# KiCad board helios-panel.kicad_pcb (continued)
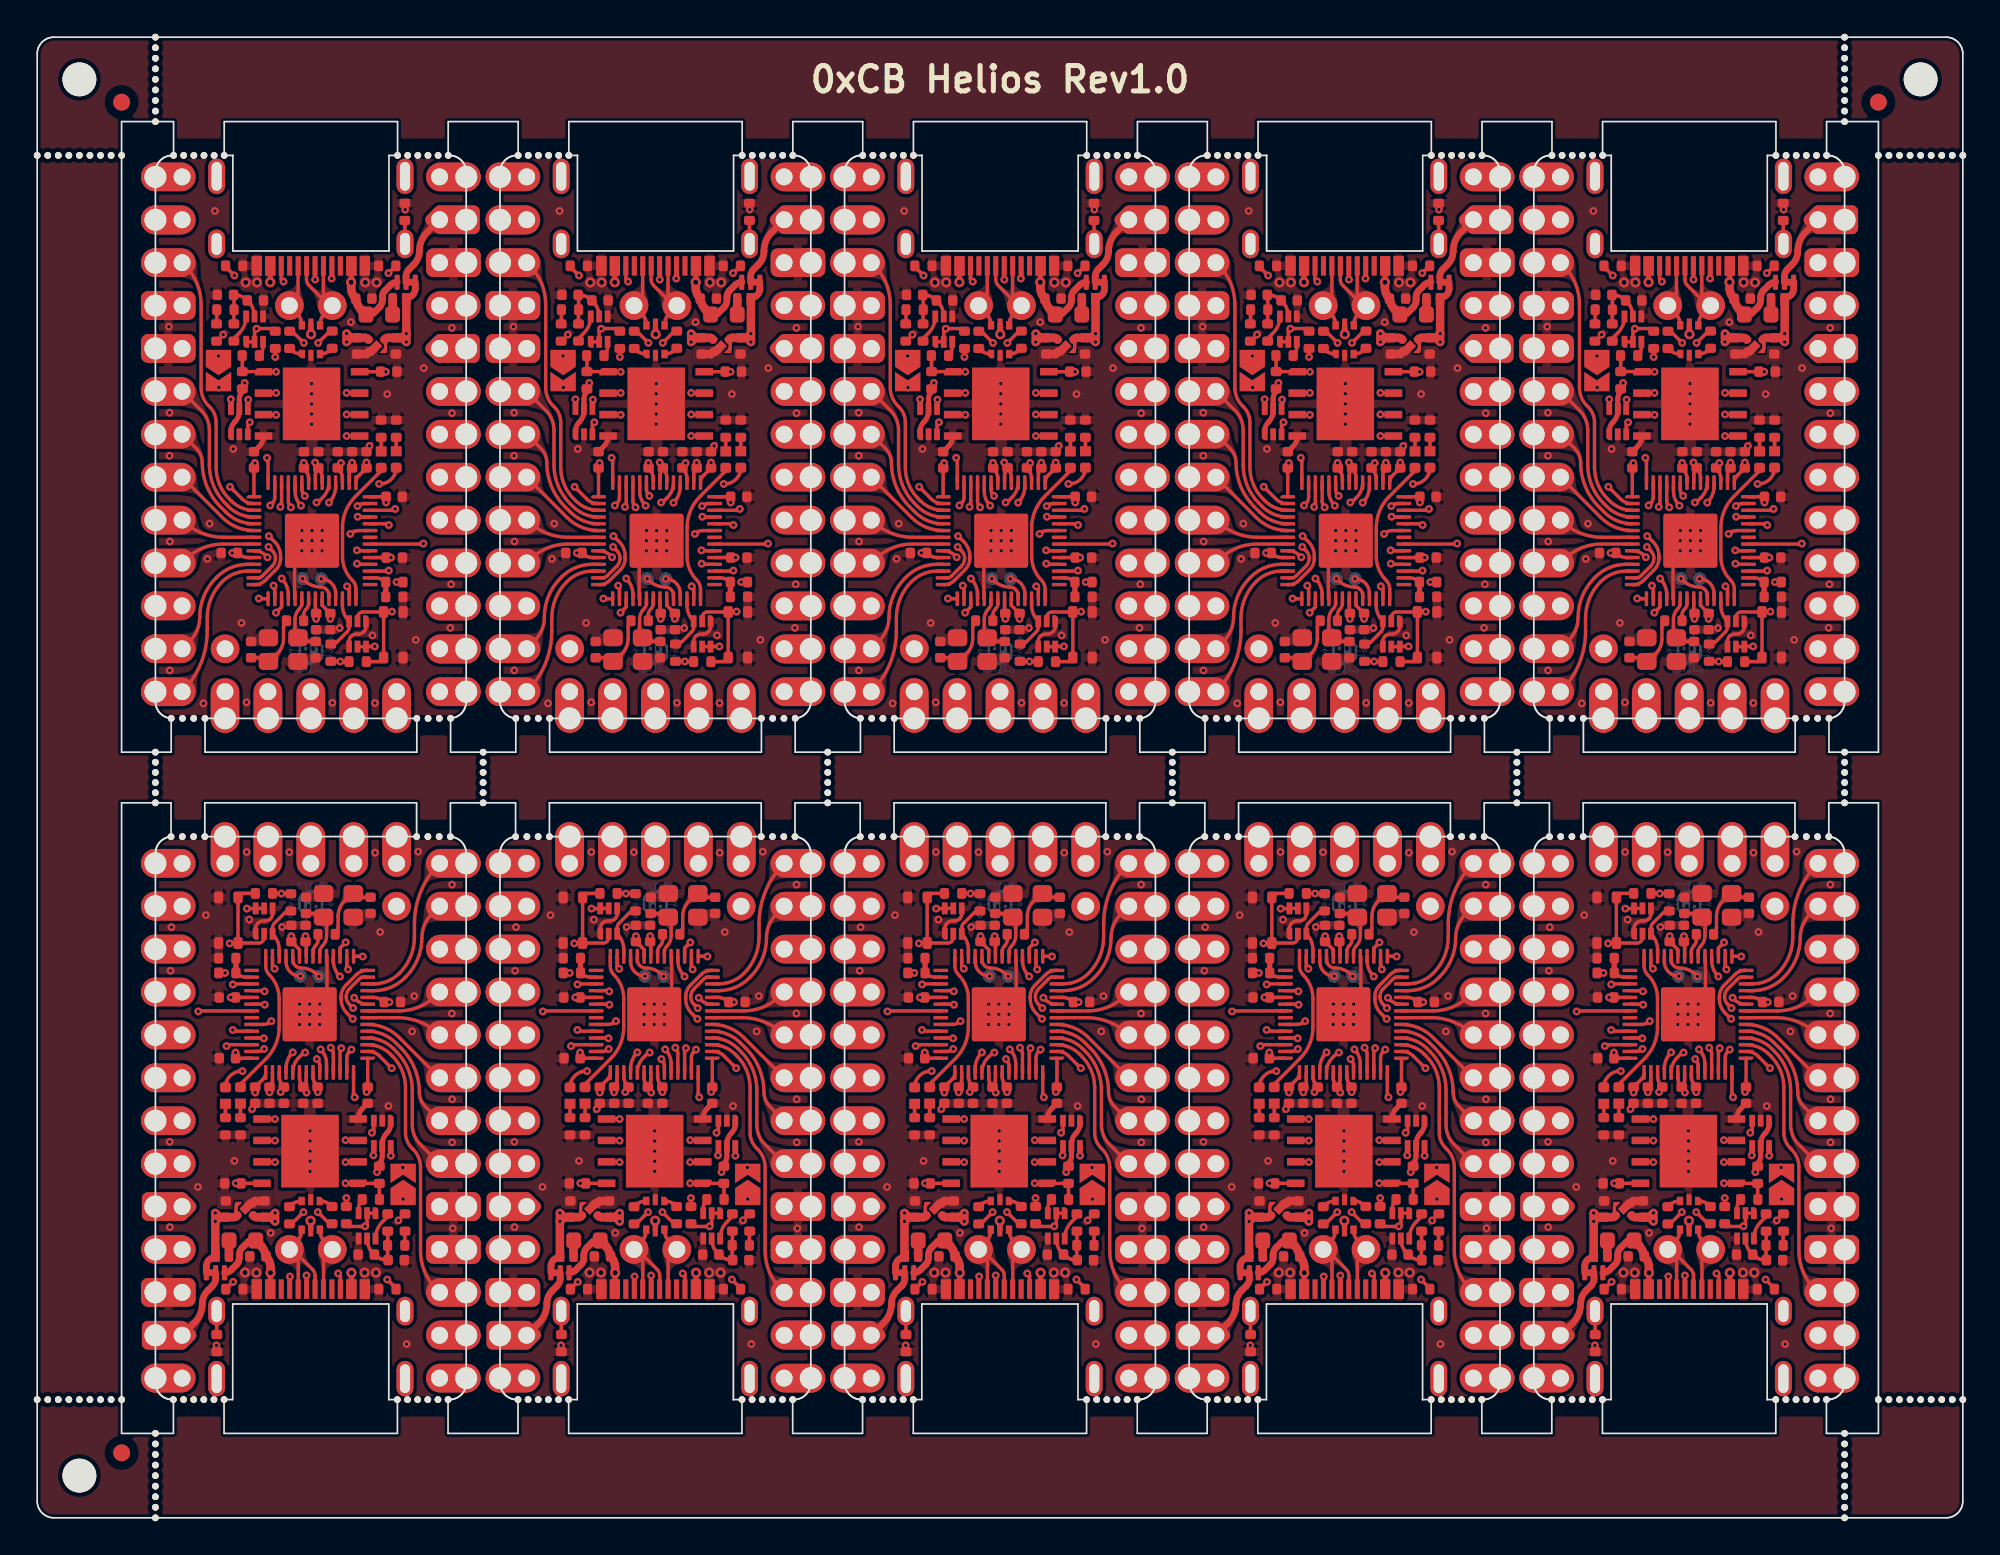
[diagram p0: board, top side]
## Routing (per net, layer and track width the routed paths; a pad name or vN(x,y) marks a point on that pad's centre or on a via; arc(x,y) is an arc through that point) (continued)
Board_6-Net-(C8-Pad2): length 3.9
  Top w0.2: R14#2.1 38.07,34.57 arc(38.18,34.74) 38.22,34.93 38.22,35.6 arc(38.31,36.1) 38.59,36.52 39.03,36.96 Y1#5.1 39.33,36.74 C8#6.2
Board_6-Net-(D1-A): length 22.4
  Top w0.2: v1(32.55,26.45) 32.51,26.45 arc(31.83,26.17) D1#10.2 ; JP1.2 42.05,20.48 v1(42.05,20.74)
  In1.Cu w0.2: v1(32.55,26.45) 33.66,26.45 arc(34.13,26.54) 34.52,26.81 arc(34.74,27.13) 34.81,27.51 arc(34.7,28.09) 34.37,28.58 33.92,29.03 arc(33.78,29.39) 33.92,29.74 33.94,29.76 arc(34.29,29.9) 34.65,29.76 35.47,28.93 arc(35.69,28.79) 35.94,28.74 39.39,28.74 arc(40.04,28.46) 40.31,27.81 40.31,27.42 arc(40.47,26.63) 40.92,25.96 41.67,25.21 arc(42.09,24.58) 42.23,23.84 42.23,21.17 arc(42.19,20.94) 42.06,20.74 v1(42.05,20.74)
Board_6-Net-(D1-K): length 0.8
  Top w0.2: D1#10.1 R10#8.1
Board_6-Net-(D2-K): length 0.8
  Top w0.2: D2#3.1 R15#3.1
Board_6-Net-(D3-A): length 0.9
  Top w0.5: 31.76,15.5 31.76,16.42 F1#5.2
Board_6-Net-(J1-CC1): length 4.8
  Top w0.2: v1(35.37,14.29) 35.35,14.28 35.35,13.54 ; v1(32.01,13.97) 31.99,13.97 31.56,13.54
  In1.Cu w0.2: v1(32.01,13.97) 32.02,13.99 34.63,13.99 arc(35.03,14.06) v1(35.37,14.29)
Board_6-Net-(J1-CC2): length 4.9
  Top w0.2: R8#8.2 41.65,13.59 v1(41.12,14.11) ; v1(38.22,14.47) 38.35,14.33 38.35,13.54
  In1.Cu w0.2: v1(41.12,14.11) 41.09,14.07 arc(40.99,14.01) 40.88,13.99 38.82,13.99 arc(38.71,14.01) 38.61,14.07 v1(38.22,14.47)
Board_6-Net-(J1-SHIELD): length 1.4
  Top w0.2: 31.03,12.24 31.03,10.85 FB1#7.1
Board_6-Net-(Q1A-D): length 26.6
  Top w0.2: Q2#10.1 Q2#10.2 39.93,17.38 v1(39.81,17.26) 39.8,17.25 38.87,17.25 R2#8.2 ; v1(32.81,36.07) 33.33,36.07 Q1#5.6 Q1#5.5
  In2.Cu w0.2: v1(32.81,36.07) 33.21,36.07 arc(35.16,35.68) 36.82,34.58 arc(37.55,33.48) 37.81,32.18 37.81,30.22 arc(37.93,29.64) 38.26,29.14 39.51,27.89 arc(40.16,26.92) 40.39,25.77 40.39,24.79 arc(40.3,24.32) 40.03,23.92 arc(39.81,23.59) 39.73,23.2 39.73,17.34 v1(39.81,17.26)
Board_6-Net-(Q2A-D): length 1.7
  Top w0.2: R4#7.1 41.16,17.84 40.84,17.53 arc(40.54,17.07) Q2#10.6
Board_6-Net-(Q2B-G): length 3.7
  Top w0.2: R4#7.2 41.16,16.14 R5.1 41.15,15.29 C1#7.1 41.14,15.26 arc(40.72,15.34) C2#5.1 40.3,15.65 arc(40.03,16.05) Q2#10.5
Board_6-Net-(R5-Pad2): length 0.8
  Top w0.2: R6#2.1 42.16,16.96 R5.2
Board_6-Net-(U4-XTAL_IN): length 3.6
  Top w0.2: C7.2 37.14,35.78 Y1#5.3 37.39,35.53 arc(37.5,35.37) 37.53,35.18 37.53,34.47 arc(37.47,34.13) 37.28,33.84 arc(37.17,33.68) 37.13,33.49 U4#10.20
Board_6-Net-(U4-XTAL_OUT): length 1.4
  Top w0.2: R14#2.2 37.02,34.22 arc(36.99,34.03) 36.88,33.87 36.88,33.87 arc(36.77,33.7) 36.73,33.51 U4#10.21
Board_6-VBUS: length 32.1
  Top w0.2: v1(31.52,32.26) R16#5.1
  Top w0.3: v2(34.22,14.51) 34.2,14.5 34.2,13.54 ; v2(39.01,14.51) 39.01,13.54
  Top w0.4: F1#5.1 33.09,16.42 arc(32.98,16.4) 32.88,16.33 32.54,16 arc(32.41,15.8) 32.37,15.56 32.37,15.37 arc(32.33,15.18) 32.21,15.01 31.88,14.67 arc(31.7,14.55) JP2.3
  Top w0.5: v2(34.22,14.51) 34.22,14.83 arc(34.14,15.18) C3.1 33.92,15.5 33.92,15.51 arc(33.83,15.84) 33.63,16.12 F1#5.1
  In2.Cu w0.2: v1(31.52,32.26) arc(31,31.48) 30.82,30.56 30.82,22.7 arc(31.7,18.27) v2(34.22,14.51)
  In2.Cu w0.5: v2(39.01,14.51) arc(38.74,13.86) 38.09,13.59 35.13,13.59 arc(34.48,13.86) v2(34.22,14.51)
Board_7-+1V1: length 15.7
  Top w0.2: v1(57.42,25.2) 57.41,25.21 C17#2.1 arc(57.2,25.8) 57.13,26.16 U4#8.50 ; v1(55.22,25.21) 55.41,25.4 C10#9.2 arc(55.2,25.8) 55.13,26.16 U4#8.45 ; U4#8.23 56.33,33.64 55.85,34.12 C19.1 v1(55.84,34.44)
  In2.Cu w0.2: v1(57.42,25.2) 56.38,26.24 ; 56.38,26.24 55.73,26.89 arc(55.45,27.3) 55.36,27.79 55.36,33.26 arc(55.48,33.9) v1(55.84,34.44) ; 56.38,26.24 55.34,25.21 v1(55.22,25.21)
Board_7-+3V3: length 21.3
  Top w0.2: 53.52,30.81 C12.1 v1(52.25,30.81) ; 53.06,19.81 v1(52.56,19.81) 52.56,19.8 U3#2.8 ; v1(56.75,25.18) 56.56,25.37 C14#7.1 ; U4#8.1 60.37,25.5 C16#4.1 60.36,25.27 v1(60.31,25.21) ; v1(61.66,30.53) C15#2.1 arc(61.05,30.74) 60.69,30.81 U4#8.10 ; R2#9.1 v1(59.11,18.94) ; R3#10.1 55.81,36.96 v1(55.25,36.96) 55.25,36.97 R1#9.1 ; v1(53.7,25.18) C18#8.1 54.16,25.95 arc(54.28,26.14) U4#8.43 ; v1(54.56,25.19) C9#6.2 54.67,25.62 arc(54.71,25.68) 54.73,25.76 U4#8.44 ; v1(56.69,34.44) C11#6.1 56.73,34.08 U4#8.22 ; v1(60.92,20.47) 60.92,20.68 R11#8.1 ; 53.52,27.21 C13#2.1 v1(52.55,27.55) ; U4#8.48 56.33,26.04 arc(56.39,25.75) C14#7.1 ; U4#8.49 56.73,25.92 arc(56.68,25.69) C14#7.1
  Top w0.3: R11#8.1 61.06,21 61.11,21.05 arc(61.2,21.23) 61.23,21.42 U5#4.5 61.23,22.13 arc(61.3,22.48) 61.5,22.78 61.51,22.79 arc(61.67,23.03) 61.73,23.32 U5#4.1
  Top w0.5: 53.58,17.91 53.63,17.86 arc(53.7,17.82) 53.77,17.8 C5#2.1 54.64,17.8 ; 54.64,17.8 v1(54.89,17.55) v1(54.89,18.05) 54.64,17.8
  vias: v1(62.47,18.87)
Board_7-+5V: length 20.9
  Top w0.2: U2#3.3 52.63,18.56 arc(52.59,18.5) 52.58,18.42 52.58,18.13 arc(52.59,18.05) 52.63,17.99 U2#3.4
  Top w0.3: v2(56.98,17.59) 57,17.58 U1#7.5 ; v1(61.73,21.44) 61.73,21.44 U5#4.6
  Top w0.4: JP2#4.1 50.81,14.89 arc(50.97,15.26) 51.34,15.42
  Top w0.5: 51.59,17.8 v1(51.34,17.55) ; 51.59,17.8 v1(51.34,18.05) v1(51.34,17.55) ; 51.59,17.8 C4#3.1 52.46,17.8 arc(52.53,17.82) 52.6,17.86 52.65,17.91 ; v1(51.34,17.55) 51.34,15.42 51.36,15.43 51.36,15.5
  In1.Cu w0.3: v1(51.34,18.05) 51.64,18.34 arc(52,18.58) 52.43,18.67 54.6,18.67 arc(55.11,18.57) 55.55,18.28 55.97,17.86 arc(56.28,17.65) 56.65,17.58 56.97,17.58 v2(56.98,17.59) 57,17.58 58.21,17.58 arc(59.54,17.84) 60.67,18.6 arc(61.46,19.77) 61.73,21.16 v1(61.73,21.44)
Board_7-/0_TX0: length 18.4
  Top w0.2: U4#8.2 60.42,27.61 arc(60.77,27.54) 61.06,27.34 v1(61.78,26.62)
  In1.Cu w0.2: J2#2.2 64.62,11.38 arc(64.58,11.57) 64.47,11.73 64.44,11.77 arc(63.55,13.1) 63.23,14.68 63.23,23.91 arc(63.05,24.82) 62.54,25.59 61.98,26.15 arc(61.84,26.37) v1(61.78,26.62)
Board_7-/1_RX0: length 16.4
  Top w0.2: J2#2.3 64.44,13.53 arc(63.74,14.58) 63.5,15.81 63.5,20.77 arc(63.38,21.33) 63.06,21.81 62.98,21.9 arc(62.7,22.31) 62.61,22.8 62.61,25.47 arc(62.4,26.48) 61.83,27.33 61.71,27.45 arc(61.1,27.87) U4#8.3
Board_7-/2_SDA1: length 9.4
  Top w0.2: J2#2.6 63.48,22.11 arc(63.13,22.64) 63,23.26 63,25.33 arc(62.76,26.56) 62.06,27.6 61.88,27.78 arc(61.19,28.25) U4#8.4
Board_7-/3_SCL1: length 7.3
  Top w0.2: J2#2.7 63.78,24.35 arc(63.52,24.74) 63.42,25.21 arc(63.15,26.61) 62.35,27.8 62.03,28.12 arc(61.27,28.63) U4#8.5
Board_7-/4: length 5.4
  Top w0.2: J2#2.8 62.23,28.44 arc(61.38,29.01) U4#8.6
Board_7-/5: length 4.5
  Top w0.2: U4#8.7 62.16,29.61 arc(63.49,29.34) J2#2.9
Board_7-/6: length 4.6
  Top w0.2: U4#8.8 62.21,30.01 arc(63.4,30.25) 64.41,30.92 J2#2.10
Board_7-/7: length 6.9
  Top w0.2: U4#8.9 60.33,30.41 arc(59.97,30.48) 59.67,30.69 v1(59.56,30.79)
  In2.Cu w0.2: v1(59.56,30.79) 60.91,32.13 arc(62.61,33.27) J2#2.11
Board_7-/8: length 7.3
  Top w0.2: U4#8.11 60.75,31.21 arc(61.72,31.4) 62.55,31.95 62.62,32.02 arc(63.33,33.08) 63.58,34.34 arc(63.73,35.1) 64.16,35.75 J2#2.12
Board_7-/9: length 9.2
  Top w0.2: U4#8.12 60.73,31.61 arc(61.55,31.77) 62.24,32.24 arc(62.9,33.23) 63.14,34.39 63.14,35.16 arc(63.52,37.11) J2#2.13
Board_7-/10: length 26.5
  Top w0.2: v1(59.5,30.18) 59.27,30.42 arc(59.14,30.61) 59.09,30.84 arc(59.14,31.1) 59.29,31.32 59.86,31.89 arc(59.99,31.98) 60.14,32.01 U4#8.13
  In2.Cu w0.2: v1(59.5,30.18) 59.54,30.18 62.82,26.9 arc(63.23,26.28) 63.38,25.56 63.38,11.28 arc(63.7,9.65) J2#2.1
Board_7-/11: length 38
  Top w0.2: U4#8.14 60.28,32.41 arc(59.98,32.35) 59.72,32.18 59.07,31.53 arc(58.86,31.22) 58.79,30.86 58.79,30.73 arc(58.88,30.26) 59.15,29.87 59.47,29.54 v1(59.48,29.54)
  In1.Cu w0.2: v1(59.48,29.54) 59.48,29.35 arc(59.58,29.13) 59.8,29.04 arc(60.66,28.68) 61.01,27.82 61.01,27.59 arc(61.18,26.76) 61.65,26.06 62.31,25.4 arc(62.77,24.7) 62.94,23.88 62.94,15.39 arc(62.38,14.06) 61.05,13.51 51.77,13.51 arc(50.94,13.17) 50.59,12.33 50.59,11.2 arc(50.28,9.62) J2#2.31
Board_7-/12: length 6.6
  Top w0.2: v1(60.08,33.23) 60.07,33.25 U4#8.15
  In1.Cu w0.2: v1(60.08,33.23) 60.08,33.92 arc(60.6,36.53) J2#2.14
Board_7-/13: length 7.2
  Top w0.2: U4#8.16 59.13,32.55 v1(59.2,32.47)
  In1.Cu w0.2: J2#2.15 59.54,33.28 arc(59.45,32.84) v1(59.2,32.47)
Board_7-/14: length 6.2
  Top w0.2: v1(59.06,34.07) 58.73,33.73 U4#8.17
  In1.Cu w0.2: J2#2.16 57.22,38.53 arc(58.58,36.49) v1(59.06,34.07)
Board_7-/15: length 9.5
  Top w0.2: U4#8.18 58.33,33 arc(58.43,32.49) v1(58.72,32.05)
  In1.Cu w0.2: J2#2.17 57,36.21 arc(57.83,34.96) 58.12,33.5 arc(58.28,32.71) v1(58.72,32.05)
Board_7-/16: length 7.9
  Top w0.2: U4#8.27 54.73,32.63 v1(54.86,32.51)
  In1.Cu w0.2: J2#2.18 52.52,38.15 arc(54.25,35.56) v1(54.86,32.51)
Board_7-/20_SDI: length 4.9
  Top w0.2: v1(52.39,31.58) 52.42,31.61 U4#8.31
  In1.Cu w0.2: J2#2.21 50.82,32.23 arc(51.54,31.75) v1(52.39,31.58)
Board_7-/21_CS: length 10.1
  Top w0.2: v1(54.27,31.17) 54.22,31.21 U4#8.32
  In1.Cu w0.2: J2#2.19 52.28,35.85 arc(53.58,34.02) 54.21,31.88 54.21,31.22 v1(54.27,31.17)
Board_7-/22_SCK: length 5.9
  Top w0.2: U4#8.34 54.25,30.41 v1(54.28,30.38)
  In1.Cu w0.2: v1(54.28,30.38) 54.23,30.34 51.3,30.34 arc(50.26,30.54) J2#2.22
Board_7-/23_SDO: length 9.8
  Top w0.2: U4#8.35 50.36,30.01 v1(50.33,29.98)
  In2.Cu w0.2: v1(50.33,29.98) 50.47,30.11 50.47,33.83 arc(50.23,35.03) 49.55,36.04 J2#2.20
Board_7-/A0: length 4.2
  Top w0.2: U4#8.38 52.45,28.81 v1(52.38,28.88)
  In1.Cu w0.2: v1(52.38,28.88) 50.09,28.88 arc(49.71,28.81) J2#2.23
Board_7-/A1: length 6.5
  Top w0.2: v1(54.22,28.39) 54.2,28.41 U4#8.39
  In1.Cu w0.2: J2#2.24 51.48,28.15 arc(51.77,28.34) 52.11,28.41 54.2,28.41 v1(54.22,28.39)
Board_7-/A2: length 6.8
  Top w0.2: U4#8.40 52.08,28.01 v1(52,27.93)
  In1.Cu w0.2: J2#2.25 50.74,24.87 arc(51.68,26.27) v1(52,27.93)
Board_7-/A3: length 9.7
  Top w0.2: v1(54.23,27.76) 54.23,27.76 arc(54.07,27.65) 53.88,27.61 U4#8.41
  In1.Cu w0.2: J2#2.26 51.2,22.79 arc(51.89,23.83) 52.14,25.05 52.14,25.55 arc(52.3,26.4) 52.79,27.12 52.85,27.19 arc(53.49,27.61) v1(54.23,27.76)
Board_7-/BOOT: length 0.9
  Top w0.2: Q2.3 59.83,18.33 arc(59.89,18.61) R9#9.2
Board_7-/D+: length 12.7
  Top w0.2: v1(57.42,18.1) 58.11,17.41 R12#9.2 ; v1(56.67,27.55) 56.59,27.55 56.3,27.26 arc(56.03,26.85) U4#8.47
  In1.Cu w0.2: v1(57.42,18.1) 56.79,18.73 arc(56.31,19.45) 56.14,20.29 56.14,21.15 56.14,25.04 arc(56.18,25.23) 56.29,25.39 56.38,25.49 arc(56.49,25.65) 56.53,25.84 56.53,27.41 v1(56.67,27.55)
Board_7-/D-: length 12.7
  Top w0.2: v1(56.56,18.1) 55.86,17.4 R13#8.2 ; U4#8.46 55.53,26.59 arc(55.63,27.12) v1(55.93,27.56)
  In1.Cu w0.2: v1(56.56,18.1) 56.56,18.11 arc(56.53,18.3) 56.42,18.46 arc(55.88,19.27) 55.69,20.22 55.69,21.53 arc(55.66,21.6) 55.6,21.62 arc(55.54,21.65) 55.51,21.71 55.51,21.83 arc(55.54,21.9) 55.6,21.92 55.69,21.92 55.69,21.93 55.75,21.93 arc(55.8,21.95) 55.82,22 55.82,22.17 arc(55.8,22.22) 55.75,22.23 arc(55.71,22.25) 55.69,22.3 55.69,25.22 arc(55.73,25.41) 55.84,25.58 55.93,25.67 arc(56.04,25.83) 56.08,26.03 56.08,27.21 arc(56.04,27.4) 55.93,27.56 v1(55.93,27.56)
Board_7-/LED: length 8.8
  Top w0.2: D2#2.2 52.83,25.67 54.36,27.19 arc(54.93,28.04) 55.12,29.04 55.12,30.74 arc(54.97,31.51) 54.54,32.16 arc(54.38,32.39) 54.33,32.66 U4#8.28
Board_7-/PORT+: length 7.1
  Top w0.2: 56.75,13.54 56.75,14.34 v1(56.75,14.35) ; U1#7.6 57.53,17.04 arc(57.61,16.66) 57.83,16.33 J2#2.34 57.75,15.38 57.75,13.54
  In1.Cu w0.2: J2#2.34 58.11,15.89 56.75,14.53 v1(56.75,14.35)
Board_7-/PORT-: length 7.1
  Top w0.2: J2#2.33 56.16,16.32 arc(56.38,16.65) 56.46,17.03 U1#7.4 ; J2#2.33 56.25,15.36 56.25,13.54 ; J2#2.33 55.92,15.89 57.11,14.7 arc(57.22,14.53) 57.25,14.34 57.25,13.54
Board_7-/QSPI_CLK: length 11.3
  Top w0.2: U4#8.52 57.93,26.89 arc(57.84,27.35) v1(57.58,27.73) ; v1(54.88,22.33) 54.87,22.34 U3#2.6
  In2.Cu w0.2: v1(57.58,27.73) 57.58,27.63 arc(58.04,26.94) 58.2,26.13 58.2,24.85 arc(58.03,24.43) 57.61,24.26 54.91,24.26 arc(54.55,24.11) 54.41,23.76 54.41,23.48 arc(54.53,22.86) v1(54.88,22.33)
Board_7-/QSPI_CS: length 9.8
  Top w0.2: v1(59.59,24.9) 59.53,24.97 59.53,26.35 ; 61.06,18.85 61.06,18.86 R11#8.2 59.81,19.8 U3#2.1 59.06,19.8 v1(59.06,19.81)
  In2.Cu w0.2: v1(59.59,24.9) arc(59.77,24.64) 59.83,24.34 59.83,21.68 arc(59.63,20.67) v1(59.06,19.81)
Board_7-/QSPI_SD0: length 11.3
  Top w0.2: v1(58.18,27.83) 58.18,27.83 arc(58.29,27.67) 58.33,27.48 U4#8.53 ; v1(54.88,23.61) 54.88,23.61 U3#2.5
  In2.Cu w0.2: v1(58.18,27.83) 58.18,27.76 arc(58.42,27.4) 58.5,26.98 58.5,24.8 arc(58.26,24.21) 57.67,23.96 56.83,23.96 arc(56.73,23.92) 56.69,23.81 56.69,23.56 arc(56.64,23.45) 56.53,23.41 arc(56.43,23.45) 56.39,23.56 56.39,23.81 arc(56.34,23.92) 56.23,23.96 arc(56.13,23.92) 56.08,23.81 56.08,23.56 arc(56.04,23.45) 55.94,23.41 arc(55.83,23.45) 55.78,23.56 55.78,23.81 arc(55.74,23.92) 55.64,23.96 arc(55.26,23.89) 54.94,23.67 v1(54.88,23.61)
Board_7-/QSPI_SD1: length 11.4
  Top w0.2: v1(59.41,27.72) 59.28,27.6 arc(59.17,27.43) 59.13,27.24 U4#8.55 ; 59.8,21.08 59.07,21.08 v1(59.06,21.06)
  In2.Cu w0.2: v1(59.41,27.72) 59.24,27.56 arc(59.14,27.41) 59.11,27.24 arc(59.15,27.13) 59.25,27.09 59.36,27.09 arc(59.46,27.05) 59.5,26.94 arc(59.46,26.83) 59.36,26.79 59.25,26.79 arc(59.15,26.75) 59.11,26.64 arc(59.15,26.53) 59.25,26.49 59.36,26.49 arc(59.46,26.45) 59.5,26.34 arc(59.46,26.23) 59.36,26.19 59.25,26.19 arc(59.15,26.15) 59.11,26.04 arc(59.15,25.93) 59.25,25.89 59.36,25.89 arc(59.46,25.85) 59.5,25.74 arc(59.46,25.63) 59.36,25.59 59.25,25.59 arc(59.15,25.55) 59.11,25.44 59.11,24.88 arc(59.14,24.69) 59.25,24.53 59.38,24.4 arc(59.49,24.23) 59.53,24.04 59.53,23.7 arc(59.49,23.6) 59.38,23.55 59.28,23.55 arc(59.17,23.51) 59.13,23.4 arc(59.17,23.3) 59.28,23.25 59.38,23.25 arc(59.49,23.21) 59.53,23.1 59.53,22.2 arc(59.41,21.59) v1(59.06,21.06)
Board_7-/QSPI_SD2: length 11.3
  Top w0.2: v1(58.81,27.81) 58.73,27.73 U4#8.54 ; v1(59.06,22.36) 59.07,22.34 U3#2.3
  In2.Cu w0.2: v1(58.81,27.81) 58.81,23.81 arc(58.76,23.7) 58.66,23.66 57.95,23.66 arc(57.85,23.62) 57.81,23.51 arc(57.85,23.4) 57.95,23.36 58.66,23.36 arc(58.76,23.32) 58.81,23.21 arc(58.76,23.1) 58.66,23.06 57.95,23.06 arc(57.85,23.02) 57.81,22.91 arc(57.85,22.8) 57.95,22.76 58.66,22.76 arc(58.76,22.72) 58.81,22.61 v1(59.06,22.36)
Board_7-/QSPI_SD3: length 11.4
  Top w0.2: v1(54.88,21.06) 54.86,21.08 54.11,21.08 ; v1(57.36,27.16) 57.38,27.13 arc(57.49,26.97) 57.53,26.78 U4#8.51
  In2.Cu w0.2: v1(57.36,27.16) arc(57.76,26.55) 57.9,25.84 57.9,24.91 arc(57.81,24.68) 57.57,24.58 54.89,24.58 arc(54.31,24.34) 54.06,23.76 54.06,23.03 arc(54.28,21.96) v1(54.88,21.06)
Board_7-/RAW: length 4.4
  Top w0.4: JP2#4.2 51.36,14.18 arc(51.32,13.94) 51.18,13.74 50.9,13.45 arc(50.66,13.1) 50.58,12.68 arc(50.45,12.06) 50.1,11.53 J2#2.30
Board_7-/RESET: length 25.2
  Top w0.2: SW1#3.2 SW1#3.2 52.93,36.97 53.72,36.97 ; SW1#3.2 53.92,34.03 arc(54.14,34.12) 54.23,34.35 Q1.2 ; SW1#3.2 52.22,34.03 v1(52.19,34.01)
  In2.Cu w0.2: v1(52.19,34.01) arc(51.25,32.6) 50.92,30.93 50.92,19.61 arc(50.52,17.6) J2#2.28
Board_7-/RGB_5V: length 17.5
  Top w0.2: U5#4.4 60.73,21.48 v1(60.7,21.46)
  In2.Cu w0.2: v1(60.7,21.46) arc(60.99,21.89) 61.09,22.39 61.09,25.88 arc(60.86,27.04) 60.2,28.02 58.93,29.29 arc(58.62,29.76) 58.51,30.31 arc(58.63,30.92) 58.98,31.44 60.89,33.34 arc(61.77,34.66) J2#2.32
Board_7-/RGB_DO: length 15.4
  Top w0.2: U4#8.37 54.18,29.21 arc(54.44,29.26) v1(54.67,29.41) ; U5#4.3 60.73,22.91 v1(60.61,22.8)
  In1.Cu w0.2: v1(60.61,22.8) 61.41,22.8 arc(62.06,23.07) 62.33,23.73 arc(62.19,24.46) 61.77,25.08 61,25.86 arc(60.56,26.51) 60.41,27.28 60.41,27.79 arc(60.22,28.25) 59.77,28.44 56.29,28.44 arc(55.69,28.56) 55.18,28.9 v1(54.67,29.41)
Board_7-/RST: length 3.3
  Top w0.2: U4#8.26 55.13,33.63 arc(55.03,34.14) Q1.3 54.73,34.92 arc(54.77,35.08) 54.85,35.21 55.46,35.81 arc(55.59,35.9) 55.74,35.93 R3#10.2
Board_7-/SWD_CLK: length 2.2
  Top w0.2: v1(57.48,32.06) 57.39,32.15 arc(56.95,32.45) 56.43,32.55 arc(56.08,32.7) 55.93,33.05 U4#8.24
Board_7-/SWD_IO: length 1.7
  Top w0.2: U4#8.25 55.53,32.92 arc(55.78,32.32) v1(56.39,32.07)
Board_7-/USB+: length 0.8
  Top w0.2: R12#9.1 58.2,18.48 arc(57.9,18.69) U1#7.1
Board_7-/USB-: length 0.8
  Top w0.2: R13#8.1 55.8,18.49 arc(56.1,18.69) U1#7.3
Board_7-GND: length 8.2
  Top w0.2: Q1.4 54.73,35.76 arc(54.7,35.6) 54.62,35.47 54.6,35.46 arc(54.47,35.37) 54.32,35.34 54.17,35.34 arc(54.02,35.31) 53.89,35.22 53.85,35.19 arc(53.77,35.06) 53.73,34.9 Q1.1 ; v1(56.93,29.81) 57.96,30.84 57.96,33.22 U4#8.19
  Top w0.3: C16#4.2 60.05,24.23 arc(59.87,23.95) U3#2.4
  Top w0.5: C5#2.2 53.7,18.76 U2#3.2 53.44,18.61 53.29,18.46
  vias: v1(48.64,22.26) v1(48.75,34.97) v1(48.69,32.39) v1(48.66,17.21) v1(50.31,19.59) v1(50.78,35.68) v1(51.42,10.21) v1(52.47,21.13) v1(53.2,39.42) v1(53.36,35.42) v1(53.53,24.2) v1(54.62,16.87) v1(55.3,34.98) v1(55.72,39.41) v1(56.33,30.41) v1(56.33,29.81) v1(56.33,29.21) v1(56.93,30.41) v1(56.93,29.21) v1(56.95,22.91) v1(56.95,22.31) v1(56.95,21.71) v1(56.95,21.11) v1(56.95,20.51) v1(57.53,30.41) v1(57.53,29.81) v1(57.53,29.21) v1(60.81,39.38) v1(61.11,34.68) v1(61.59,24.38) v1(62.19,17.61) v1(62.67,10.29) v1(63,28.8) v1(63.12,30.89) v1(63.36,39.44) v1(65.34,29.86) v1(65.36,37.49) v1(65.36,24.78) v1(65.36,22.23) v1(65.41,17.14) v2(53.11,14.52) v2(53.78,14.52) v2(60.19,14.52) v2(60.86,14.52)
Board_7-Net-(C8-Pad2): length 3.9
  Top w0.2: 58.44,34.55 58.47,34.57 arc(58.58,34.74) 58.61,34.93 58.61,35.6 arc(58.71,36.1) 58.99,36.52 59.44,36.96 Y1#3.1 59.73,36.74 C8.2
Board_7-Net-(D1-A): length 22.4
  Top w0.2: v1(52.95,26.45) 52.91,26.45 arc(52.23,26.17) D1#4.2 ; JP1#4.2 62.44,20.48 v1(62.44,20.74)
  In1.Cu w0.2: v1(52.95,26.45) 54.06,26.45 arc(54.53,26.54) 54.92,26.81 arc(55.14,27.13) 55.22,27.51 arc(55.1,28.09) 54.77,28.58 54.32,29.03 arc(54.18,29.39) 54.32,29.74 54.34,29.76 arc(54.69,29.9) 55.05,29.76 55.87,28.93 arc(56.09,28.79) 56.34,28.74 59.79,28.74 arc(60.44,28.46) 60.71,27.81 60.71,27.42 arc(60.87,26.63) 61.32,25.96 62.07,25.21 arc(62.49,24.58) 62.64,23.84 62.64,21.17 arc(62.59,20.94) 62.46,20.74 v1(62.44,20.74)
Board_7-Net-(D1-K): length 0.8
  Top w0.2: D1#4.1 R10#5.1
Board_7-Net-(D2-K): length 0.8
  Top w0.2: D2#2.1 R15#5.1
Board_7-Net-(D3-A): length 0.9
  Top w0.5: D3#5.2 52.16,16.42 F1#6.2
Board_7-Net-(J1-CC1): length 4.8
  Top w0.2: v1(55.77,14.29) 55.75,14.28 55.75,13.54 ; v1(52.41,13.97) 52.39,13.97 R7#3.2
  In1.Cu w0.2: v1(52.41,13.97) 52.42,13.99 55.03,13.99 arc(55.43,14.06) v1(55.77,14.29)
Board_7-Net-(J1-CC2): length 4.9
  Top w0.2: R8#9.2 62.05,13.59 v1(61.53,14.11) ; v1(58.61,14.47) 58.75,14.33 58.75,13.54
  In1.Cu w0.2: v1(61.53,14.11) 61.49,14.07 arc(61.39,14.01) 61.28,13.99 59.22,13.99 arc(59.11,14.01) 59.01,14.07 v1(58.61,14.47)
Board_7-Net-(J1-SHIELD): length 1.4
  Top w0.2: 51.43,12.24 51.43,10.85 FB1#8.1
Board_7-Net-(Q1A-D): length 26.6
  Top w0.2: Q2.1 Q2.2 60.33,17.38 v1(60.22,17.26) 60.2,17.25 59.27,17.25 R2#9.2 ; v1(53.22,36.07) 53.72,36.07 Q1.6 Q1.5
  In2.Cu w0.2: v1(53.22,36.07) 53.61,36.07 arc(55.56,35.68) 57.22,34.58 arc(57.95,33.48) 58.21,32.18 58.21,30.22 arc(58.33,29.64) 58.66,29.14 59.91,27.89 arc(60.56,26.92) 60.79,25.77 60.79,24.79 arc(60.7,24.32) 60.43,23.92 arc(60.21,23.59) 60.13,23.2 60.13,17.34 v1(60.22,17.26)
Board_7-Net-(Q2A-D): length 1.7
  Top w0.2: R4#8.1 61.56,17.84 61.24,17.53 arc(60.94,17.07) Q2.6
Board_7-Net-(Q2B-G): length 3.7
  Top w0.2: R4#8.2 61.56,16.14 R5#4.1 61.55,15.29 C1#9.1 61.54,15.26 arc(61.12,15.34) C2#6.1 60.7,15.65 arc(60.43,16.05) Q2.5
Board_7-Net-(R5-Pad2): length 0.8
  Top w0.2: R6#3.1 62.56,16.96 62.56,16.13
Board_7-Net-(U4-XTAL_IN): length 3.6
  Top w0.2: C7#3.2 57.54,35.78 Y1#3.3 57.79,35.53 arc(57.9,35.37) 57.94,35.18 57.94,34.47 arc(57.87,34.13) 57.68,33.84 arc(57.57,33.68) 57.53,33.49 U4#8.20
Board_7-Net-(U4-XTAL_OUT): length 1.4
  Top w0.2: R14#8.2 57.42,34.22 arc(57.39,34.03) 57.28,33.87 57.28,33.87 arc(57.17,33.7) 57.13,33.51 U4#8.21
Board_7-VBUS: length 32.1
  Top w0.2: v1(51.92,32.26) R16#6.1
  Top w0.3: v2(54.61,14.51) 54.61,14.5 54.61,13.54 ; v2(59.41,14.51) 59.41,13.54
  Top w0.4: F1#6.1 53.49,16.42 arc(53.38,16.4) 53.28,16.33 52.94,16 arc(52.81,15.8) 52.77,15.56 52.77,15.37 arc(52.73,15.18) 52.61,15.01 52.28,14.67 arc(52.1,14.55) JP2#4.3
  Top w0.5: v2(54.61,14.51) 54.61,14.83 arc(54.54,15.18) C3#2.1 54.32,15.5 54.32,15.51 arc(54.23,15.84) 54.03,16.12 F1#6.1
  In2.Cu w0.2: v1(51.92,32.26) arc(51.4,31.48) 51.22,30.56 51.22,22.7 arc(52.1,18.27) v2(54.61,14.51)
  In2.Cu w0.5: v2(59.41,14.51) arc(59.14,13.86) 58.49,13.59 55.53,13.59 arc(54.88,13.86) v2(54.61,14.51)
Board_8-+1V1: length 15.7
  Top w0.2: v1(77.81,25.2) 77.81,25.21 C17#4.1 arc(77.6,25.8) 77.53,26.16 U4#4.50 ; v1(75.61,25.21) 75.81,25.4 C10#8.2 arc(75.6,25.8) 75.53,26.16 U4#4.45 ; U4#4.23 76.73,33.64 76.25,34.12 C19#9.1 v1(76.25,34.44)
  In2.Cu w0.2: v1(77.81,25.2) 76.78,26.24 ; 76.78,26.24 76.13,26.89 arc(75.85,27.3) 75.75,27.79 75.75,33.26 arc(75.88,33.9) v1(76.25,34.44) ; 76.78,26.24 75.75,25.21 v1(75.61,25.21)
Board_8-+3V3: length 21.3
  Top w0.2: 73.92,30.81 C12#2.1 v1(72.66,30.81) ; 73.45,19.81 v1(72.95,19.81) 72.96,19.8 U3#6.8 ; v1(77.14,25.18) 76.95,25.37 C14#8.1 ; U4#4.1 80.77,25.5 C16#7.1 80.77,25.27 v1(80.7,25.21) ; v1(82.06,30.53) C15#6.1 arc(81.45,30.74) 81.09,30.81 U4#4.10 ; R2#10.1 v1(79.5,18.94) ; R3#2.1 76.2,36.96 v1(75.66,36.96) 75.64,36.97 R1#10.1 ; v1(74.11,25.18) C18#5.1 74.56,25.95 arc(74.68,26.14) U4#4.43 ; v1(74.95,25.19) C9#8.2 75.07,25.62 arc(75.11,25.68) 75.13,25.76 U4#4.44 ; v1(77.08,34.44) C11#7.1 77.13,34.08 U4#4.22 ; v1(81.31,20.47) 81.31,20.68 R11#9.1 ; 73.92,27.21 72.94,27.21 v1(72.94,27.55) ; U4#4.48 76.73,26.04 arc(76.79,25.75) C14#8.1 ; U4#4.49 77.13,25.92 arc(77.08,25.69) C14#8.1
  Top w0.3: R11#9.1 81.45,21 81.51,21.05 arc(81.6,21.23) 81.63,21.42 U5#5.5 81.63,22.13 arc(81.7,22.48) 81.9,22.78 81.91,22.79 arc(82.07,23.03) 82.13,23.32 U5#5.1
  Top w0.5: 73.98,17.91 74.03,17.86 arc(74.1,17.82) 74.17,17.8 C5#3.1 75.03,17.8 ; 75.03,17.8 v1(75.28,17.55) v1(75.28,18.05) 75.03,17.8
  vias: v1(82.86,18.87)
Board_8-+5V: length 20.9
  Top w0.2: U2#8.3 73.03,18.56 arc(72.99,18.5) 72.98,18.42 72.98,18.13 arc(72.99,18.05) 73.03,17.99 U2#8.4
  Top w0.3: v2(77.39,17.59) 77.39,17.58 U1#8.5 ; v1(82.14,21.44) 82.13,21.44 U5#5.6
  Top w0.4: JP2#9.1 71.22,14.89 arc(71.37,15.26) 71.75,15.42
  Top w0.5: 72,17.8 v1(71.75,17.55) ; 72,17.8 v1(71.75,18.05) v1(71.75,17.55) ; 72,17.8 C4#4.1 72.86,17.8 arc(72.93,17.82) 73,17.86 73.05,17.91 ; v1(71.75,17.55) 71.75,15.42 71.75,15.43 D3#4.1
  In1.Cu w0.3: v1(71.75,18.05) 72.04,18.34 arc(72.4,18.58) 72.83,18.67 75,18.67 arc(75.51,18.57) 75.95,18.28 76.37,17.86 arc(76.68,17.65) 77.05,17.58 77.37,17.58 v2(77.39,17.59) 77.4,17.58 78.61,17.58 arc(79.94,17.84) 81.07,18.6 arc(81.86,19.77) 82.14,21.16 v1(82.14,21.44)
Board_8-/0_TX0: length 18.4
  Top w0.2: U4#4.2 80.82,27.61 arc(81.17,27.54) 81.46,27.34 v1(82.19,26.62)
  In1.Cu w0.2: J2#8.2 85.02,11.38 arc(84.98,11.57) 84.87,11.73 84.84,11.77 arc(83.95,13.1) 83.64,14.68 83.64,23.91 arc(83.45,24.82) 82.94,25.59 82.38,26.15 arc(82.24,26.37) v1(82.19,26.62)
Board_8-/1_RX0: length 16.4
  Top w0.2: J2#8.3 84.84,13.53 arc(84.14,14.58) 83.89,15.81 83.89,20.77 arc(83.78,21.33) 83.46,21.81 83.38,21.9 arc(83.1,22.31) 83,22.8 83,25.47 arc(82.8,26.48) 82.23,27.33 82.11,27.45 arc(81.5,27.87) U4#4.3
Board_8-/2_SDA1: length 9.4
  Top w0.2: J2#8.6 83.88,22.11 arc(83.53,22.64) 83.41,23.26 83.41,25.33 arc(83.16,26.56) 82.46,27.6 82.28,27.78 arc(81.59,28.25) U4#4.4
Board_8-/3_SCL1: length 7.3
  Top w0.2: J2#8.7 84.18,24.35 arc(83.92,24.74) 83.83,25.21 arc(83.55,26.61) 82.75,27.8 82.43,28.12 arc(81.67,28.63) U4#4.5
Board_8-/4: length 5.4
  Top w0.2: J2#8.8 82.63,28.44 arc(81.78,29.01) U4#4.6
Board_8-/5: length 4.5
  Top w0.2: U4#4.7 82.56,29.61 arc(83.89,29.34) J2#8.9
Board_8-/6: length 4.6
  Top w0.2: U4#4.8 82.61,30.01 arc(83.8,30.25) 84.81,30.92 J2#8.10
Board_8-/7: length 6.9
  Top w0.2: U4#4.9 80.73,30.41 arc(80.37,30.48) 80.07,30.69 v1(79.97,30.79)
  In2.Cu w0.2: v1(79.97,30.79) 81.31,32.13 arc(83.01,33.27) J2#8.11
Board_8-/8: length 7.3
  Top w0.2: U4#4.11 81.15,31.21 arc(82.12,31.4) 82.95,31.95 83.02,32.02 arc(83.73,33.08) 83.97,34.34 arc(84.13,35.1) 84.56,35.75 J2#8.12
Board_8-/9: length 9.2
  Top w0.2: U4#4.12 81.13,31.61 arc(81.95,31.77) 82.64,32.24 arc(83.3,33.23) 83.53,34.39 83.53,35.16 arc(83.92,37.11) J2#8.13
Board_8-/10: length 26.5
  Top w0.2: v1(79.91,30.18) 79.67,30.42 arc(79.54,30.61) 79.49,30.84 arc(79.54,31.1) 79.69,31.32 80.26,31.89 arc(80.39,31.98) 80.54,32.01 U4#4.13
  In2.Cu w0.2: v1(79.91,30.18) 79.94,30.18 83.22,26.9 arc(83.63,26.28) 83.78,25.56 83.78,11.28 arc(84.1,9.65) J2#8.1
Board_8-/11: length 38
  Top w0.2: U4#4.14 80.68,32.41 arc(80.38,32.35) 80.12,32.18 79.47,31.53 arc(79.26,31.22) 79.19,30.86 79.19,30.73 arc(79.28,30.26) 79.55,29.87 79.87,29.54 v1(79.89,29.54)
  In1.Cu w0.2: v1(79.89,29.54) 79.89,29.35 arc(79.98,29.13) 80.2,29.04 arc(81.06,28.68) 81.41,27.82 81.41,27.59 arc(81.58,26.76) 82.05,26.06 82.71,25.4 arc(83.17,24.7) 83.33,23.88 83.33,15.39 arc(82.78,14.06) 81.45,13.51 72.17,13.51 arc(71.34,13.17) 71,12.33 71,11.2 arc(70.68,9.62) J2#8.31
Board_8-/12: length 6.6
  Top w0.2: v1(80.48,33.23) 80.47,33.25 U4#4.15